# KiCad board FPGA_Board_BA.kicad_pcb (continued)
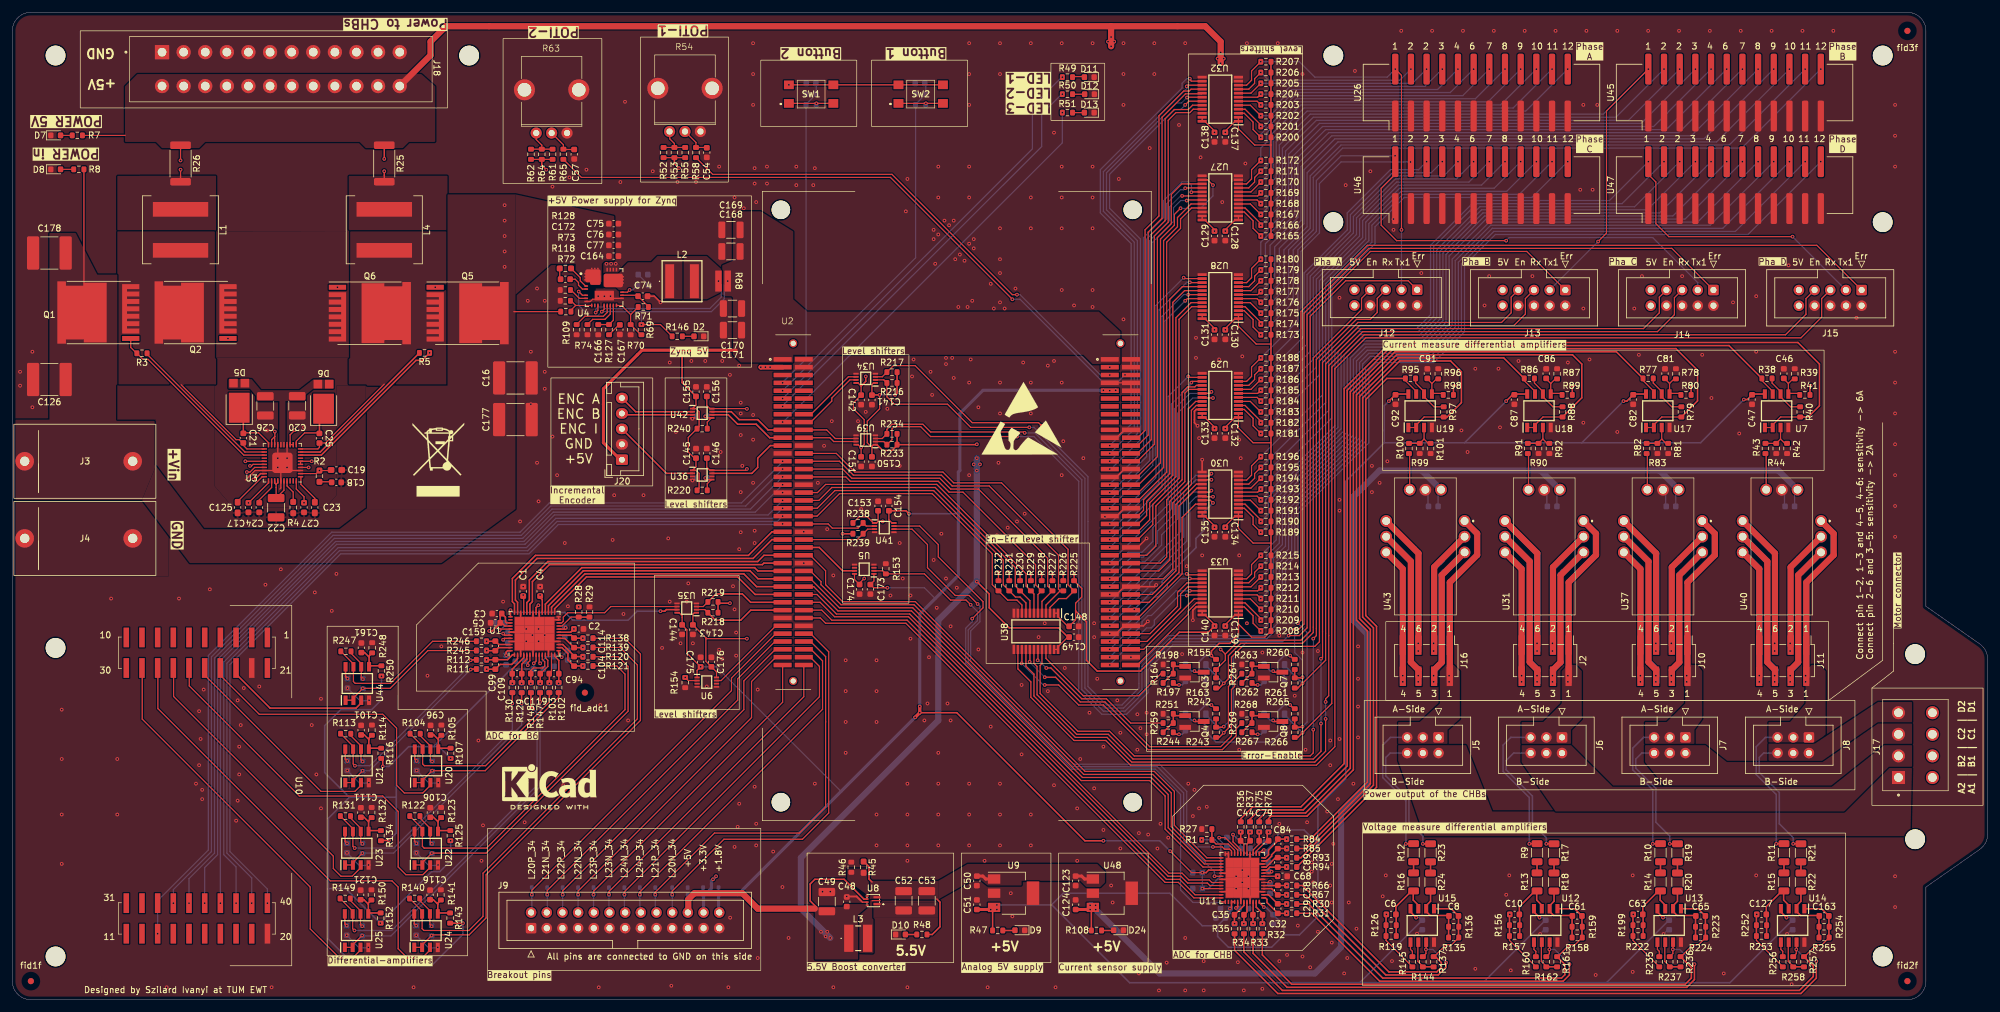
[diagram p0: board, top side]
## Placement (name value [footprint] x y rotation side) (continued)
R121  30R_0603  [R_0603_1608Metric]  93.25 54.08 0 top
R122  500R_0603  [R_0603_1608Metric]  65.21 29.75 0 top
R123  5k1_0603  [R_0603_1608Metric]  69.46 30.33 270 top
R124  500R_0603  [R_0603_1608Metric]  67.96 24.5 270 bottom
R125  5k1_0603  [R_0603_1608Metric]  70.96 26.58 270 top
R126  1k_0603  [R_0603_1608Metric]  223.36 12.07 180 top
R127  3k83_0603  [R_0603_1608Metric]  96.66 108.58 90 top
R128  1R_0603  [R_0603_1608Metric_Pad0.98x0.95mm_HandSolder]  89.59 118.5 0 top
R129  30R_0603  [R_0603_1608Metric]  82.5 50.58 270 top
R130  30R_0603  [R_0603_1608Metric]  81 50.58 270 top
R131  500R_0603  [R_0603_1608Metric]  53.96 29.75 0 top
R132  5k1_0603  [R_0603_1608Metric]  58.21 30.33 270 top
R133  500R_0603  [R_0603_1608Metric]  56.71 24.5 270 bottom
R134  5k1_0603  [R_0603_1608Metric]  59.71 26.58 270 top
R135  1k_0603  [R_0603_1608Metric]  233.5 10.07 0 top
R136  1k_0603  [R_0603_1608Metric]  233.5 11.82 0 top
R137  1k_0603  [R_0603_1608Metric]  230.25 6.14 270 top
R138  30R_0603  [R_0603_1608Metric]  93.25 58.58 0 top
R139  30R_0603  [R_0603_1608Metric]  93.25 57.08 0 top
R140  500R_0603  [R_0603_1608Metric]  65.17 16.4 0 top
R141  5k1_0603  [R_0603_1608Metric]  69.42 16.97 270 top
R142  500R_0603  [R_0603_1608Metric]  67.92 11.15 270 bottom
R143  5k1_0603  [R_0603_1608Metric]  70.92 13.22 270 top
R144  1k_0603  [R_0603_1608Metric]  228.5 6.14 90 top
R145  1k_0603  [R_0603_1608Metric]  226.81 6.14 90 top
R146  10k_0603  [R_0603_1608Metric]  107.71 107.5 0 top
R147  30R_0603  [R_0603_1608Metric]  85.5 50.58 270 top
R148  30R_0603  [R_0603_1608Metric]  84 50.58 270 top
R149  500R_0603  [R_0603_1608Metric]  53.92 16.4 0 top
R150  5k1_0603  [R_0603_1608Metric]  58.17 16.97 270 top
R151  500R_0603  [R_0603_1608Metric]  56.67 11.15 270 bottom
R152  5k1_0603  [R_0603_1608Metric]  59.67 13.22 270 top
R153  10k_0603  [R_0603_1608Metric]  141.5 69.83 90 top
R154  10k_0603  [R_0603_1608Metric]  109 51.39 270 top
R155  10k_0603  [R_0603_1608Metric]  195 54.33 270 top
R156  1k_0603  [R_0603_1608Metric]  243.36 12.07 180 top
R157  1k_0603  [R_0603_1608Metric]  243.36 10.32 180 top
R158  1k_0603  [R_0603_1608Metric]  253.5 10.07 0 top
R159  1k_0603  [R_0603_1608Metric]  253.5 11.82 0 top
R160  1k_0603  [R_0603_1608Metric]  246.81 6.14 90 top
R161  1k_0603  [R_0603_1608Metric]  250.25 6.14 270 top
R162  1k_0603  [R_0603_1608Metric]  248.5 6.14 90 top
R163  0R_0603  [R_0603_1608Metric]  195 51.33 270 top
R164  100R_0603  [R_0603_1608Metric]  187.25 52.83 180 top
R165  10k_0603  [R_0603_1608Metric]  203.07 123.75 180 top
R166  10k_0603  [R_0603_1608Metric]  203.07 125.5 180 top
R167  10k_0603  [R_0603_1608Metric]  203.07 127.25 180 top
R168  10k_0603  [R_0603_1608Metric]  203.07 129 180 top
R169  10k_0603  [R_0603_1608Metric]  203.07 130.75 180 top
R170  10k_0603  [R_0603_1608Metric]  203.07 132.5 180 top
R171  10k_0603  [R_0603_1608Metric]  203.07 134.25 180 top
R172  10k_0603  [R_0603_1608Metric]  203.07 136 180 top
R173  10k_0603  [R_0603_1608Metric]  203.07 107.75 180 top
R174  10k_0603  [R_0603_1608Metric]  203.07 109.5 180 top
R175  10k_0603  [R_0603_1608Metric]  203.07 111.25 180 top
R176  10k_0603  [R_0603_1608Metric]  203.07 113 180 top
R177  10k_0603  [R_0603_1608Metric]  203.07 114.75 180 top
R178  10k_0603  [R_0603_1608Metric]  203.07 116.5 180 top
R179  10k_0603  [R_0603_1608Metric]  203.07 118.25 180 top
R180  10k_0603  [R_0603_1608Metric]  203.07 120 180 top
R181  10k_0603  [R_0603_1608Metric]  203.07 91.75 180 top
R182  10k_0603  [R_0603_1608Metric]  203.07 93.5 180 top
R183  10k_0603  [R_0603_1608Metric]  203.07 95.25 180 top
R184  10k_0603  [R_0603_1608Metric]  203.07 97 180 top
R185  10k_0603  [R_0603_1608Metric]  203.07 98.75 180 top
R186  10k_0603  [R_0603_1608Metric]  203.07 100.5 180 top
R187  10k_0603  [R_0603_1608Metric]  203.07 102.25 180 top
R188  10k_0603  [R_0603_1608Metric]  203.07 104 180 top
R189  10k_0603  [R_0603_1608Metric]  203.07 75.75 180 top
R190  10k_0603  [R_0603_1608Metric]  203.07 77.5 180 top
R191  10k_0603  [R_0603_1608Metric]  203.07 79.25 180 top
R192  10k_0603  [R_0603_1608Metric]  203.07 81 180 top
R193  10k_0603  [R_0603_1608Metric]  203.07 82.75 180 top
R194  10k_0603  [R_0603_1608Metric]  203.07 84.5 180 top
R195  10k_0603  [R_0603_1608Metric]  203.07 86.25 180 top
R196  10k_0603  [R_0603_1608Metric]  203.07 88 180 top
R197  100R_0603  [R_0603_1608Metric]  187.25 51.33 180 top
R198  100k_0603  [R_0603_1608Metric]  187.25 54.33 180 top
R199  1k_0603  [R_0603_1608Metric]  263.36 12.07 180 top
R200  10k_0603  [R_0603_1608Metric]  203.07 139.75 180 top
R201  10k_0603  [R_0603_1608Metric]  203.07 141.5 180 top
R202  10k_0603  [R_0603_1608Metric]  203.07 143.25 180 top
R203  10k_0603  [R_0603_1608Metric]  203.07 145 180 top
R204  10k_0603  [R_0603_1608Metric]  203.07 146.75 180 top
R205  10k_0603  [R_0603_1608Metric]  203.07 148.5 180 top
R206  10k_0603  [R_0603_1608Metric]  203.07 150.25 180 top
R207  10k_0603  [R_0603_1608Metric]  203.07 152 180 top
R208  10k_0603  [R_0603_1608Metric]  203.07 59.75 180 top
R209  10k_0603  [R_0603_1608Metric]  203.07 61.5 180 top
R210  10k_0603  [R_0603_1608Metric]  203.07 63.25 180 top
R211  10k_0603  [R_0603_1608Metric]  203.07 65 180 top
R212  10k_0603  [R_0603_1608Metric]  203.07 66.75 180 top
R213  10k_0603  [R_0603_1608Metric]  203.07 68.5 180 top
R214  10k_0603  [R_0603_1608Metric]  203.07 70.25 180 top
R215  10k_0603  [R_0603_1608Metric]  203.07 72 180 top
R216  10k_0603  [R_0603_1608Metric]  142.5 99.94 180 top
R217  10k_0603  [R_0603_1608Metric]  142.5 101.69 180 top
R218  10k_0603  [R_0603_1608Metric]  113.5 62.71 180 top
R219  10k_0603  [R_0603_1608Metric]  113.5 64.46 180 top
R220  0R_0603  [R_0603_1608Metric]  111.75 82.53 0 top
R221  0R_0603  [R_0603_1608Metric]  111.75 84.53 0 bottom  (not fitted)
R222  1k_0603  [R_0603_1608Metric]  263.36 10.32 180 top
R223  1k_0603  [R_0603_1608Metric]  273.5 11.82 0 top
R224  1k_0603  [R_0603_1608Metric]  273.5 10.07 0 top
R225  10k_0603  [R_0603_1608Metric]  172 67.08 270 top
R226  10k_0603  [R_0603_1608Metric]  170.25 67.08 270 top
R227  10k_0603  [R_0603_1608Metric]  168.5 67.08 270 top
R228  10k_0603  [R_0603_1608Metric]  166.75 67.08 270 top
R229  10k_0603  [R_0603_1608Metric]  165 67.08 270 top
R230  10k_0603  [R_0603_1608Metric]  163.25 67.08 270 top
R231  10k_0603  [R_0603_1608Metric]  161.5 67.08 270 top
R232  10k_0603  [R_0603_1608Metric]  159.75 67.08 270 top
R233  10k_0603  [R_0603_1608Metric]  142.5 89.94 180 top
R234  10k_0603  [R_0603_1608Metric]  142.5 91.69 180 top
R235  1k_0603  [R_0603_1608Metric]  266.81 6.14 90 top
R236  1k_0603  [R_0603_1608Metric]  270.25 6.14 270 top
R237  1k_0603  [R_0603_1608Metric]  268.5 6.14 90 top
R238  10k_0603  [R_0603_1608Metric]  137 77.25 0 top
R239  10k_0603  [R_0603_1608Metric]  137 75.5 0 top
R240  0R_0603  [R_0603_1608Metric]  111.75 92.53 0 top
R241  0R_0603  [R_0603_1608Metric]  111.75 94.53 0 bottom  (not fitted)
R242  10k_0603  [R_0603_1608Metric]  195 46.33 270 top
R243  0R_0603  [R_0603_1608Metric]  195 43.33 270 top
R244  100R_0603  [R_0603_1608Metric]  187.25 43.33 180 top
R245  30R_0603  [R_0603_1608Metric]  76 56.58 180 top
R246  30R_0603  [R_0603_1608Metric]  76 58.08 180 top
R247  500R_0603  [R_0603_1608Metric]  54.04 56.45 0 top
R248  5k1_0603  [R_0603_1608Metric]  58.29 57.03 270 top
R249  500R_0603  [R_0603_1608Metric]  56.79 51.2 270 bottom
R250  5k1_0603  [R_0603_1608Metric]  59.79 53.28 270 top
R251  100k_0603  [R_0603_1608Metric]  187.25 46.33 180 top
R252  1k_0603  [R_0603_1608Metric]  283.36 12.07 180 top
R253  1k_0603  [R_0603_1608Metric]  283.36 10.32 180 top
R254  1k_0603  [R_0603_1608Metric]  293.5 11.82 0 top
R255  1k_0603  [R_0603_1608Metric]  293.5 10.07 0 top
R256  1k_0603  [R_0603_1608Metric]  286.81 6.14 90 top
R257  1k_0603  [R_0603_1608Metric]  290.25 6.14 270 top
R258  1k_0603  [R_0603_1608Metric]  288.5 6.14 90 top
R259  100R_0603  [R_0603_1608Metric]  187.25 44.83 180 top
R260  10k_0603  [R_0603_1608Metric]  207.75 54.33 270 top
R261  0R_0603  [R_0603_1608Metric]  207.75 51.33 270 top
R262  100R_0603  [R_0603_1608Metric]  200 51.33 180 top
R263  100k_0603  [R_0603_1608Metric]  200 54.33 180 top
R264  100R_0603  [R_0603_1608Metric]  200 52.83 180 top
R265  10k_0603  [R_0603_1608Metric]  207.75 46.33 270 top
R266  0R_0603  [R_0603_1608Metric]  207.75 43.33 270 top
R267  100R_0603  [R_0603_1608Metric]  200 43.33 180 top
R268  100k_0603  [R_0603_1608Metric]  200 46.33 180 top
R269  100R_0603  [R_0603_1608Metric]  200 44.83 180 top
REF**  -  [MountingHole_3.2mm_M3]  7 153 0 top
REF**#2  -  [MountingHole_3.2mm_M3]  7 57 0 top
REF**#3  -  [MountingHole_3.2mm_M3]  214 126 0 top
REF**#4  -  [MountingHole_3.2mm_M3]  303 126 0 top
REF**#5  -  [WEEE-Logo_8.4x12mm_SilkScreen]  69 87.5 0 top
REF**#6  -  [MountingHole_3.2mm_M3]  74 153 0 top
REF**#7  -  [MountingHole_3.2mm_M3]  214 153 0 top
REF**#8  -  [MountingHole_3.2mm_M3]  303 7 0 top
REF**#9  -  [MountingHole_3.2mm_M3]  303 153 0 top
REF**#10  -  [ESD-Logo_13.2x12mm_SilkScreen]  163.5 94.25 0 top
REF**#11  -  [MountingHole_3.2mm_M3]  308.25 56 0 top
REF**#12  -  [MountingHole_3.2mm_M3]  308.25 26 0 top
REF**#13  -  [MountingHole_3.2mm_M3]  7 7 0 top
REF**#14  -  [KiCad-Logo2_6mm_SilkScreen]  86.99 35.2 0 top
SW1  TL3305BF100QG  [TL3305BF160QG]  129.4 146.75 0 top
SW2  TL3305BF100QG  [TL3305BF160QG]  147.15 146.75 0 top
U1  LTC2320-16_CMOS  [UKG_52_7mm_8mm]  84.56 59.3 90 top
U2  -  [Zynq7020]  126.5 79 0 top
U3  LM5143  [VQFN 40 pin 5.8mm x 5.8mm]  43.75 87 180 top
U4  LM70860RRXR  [RRX Package, 29-Pin VQFN]  95.91 115.35 0 top
U5  SN74LXC2T45Q1  [SN74LXC2T45QDCURQ1]  138 69.75 180 top
U6  SN74LXC2T45Q1  [SN74LXC2T45QDCURQ1]  112.5 51.46 0 top
U7  1819_IS8  [LT1819]  285.81 95.35 90 top
U8  -  [TPS61022]  139.43 16.05 180 top
U9  MCP1703AT-5002EDB  [SOT-223]  162.19 17.25 0 top
U10  BOOSTXL-3PHGANINV  [TI_BOOSTXL_3PH]  41.32 57.5 0 top
U11  LTC2320-16_CMOS  [UKG_52_7mm_8mm]  199.26 19.71 180 top
U12  1819_IS8  [LT1819]  248.4 12.1 270 top
U13  1819_IS8  [LT1819]  268.4 12.1 270 top
U14  1819_IS8  [LT1819]  288.4 12.1 270 top
U15  1819_IS8  [LT1819]  228.4 12.1 270 top
U17  1819_IS8  [LT1819]  266.56 95.35 90 top
U18  1819_IS8  [LT1819]  247.31 95.35 90 top
U19  1819_IS8  [LT1819]  228.06 95.35 90 top
U20  1819_IS8  [LT1819]  67.09 37.81 90 top
U21  1819_IS8  [LT1819]  55.84 37.81 90 top
U22  1819_IS8  [LT1819]  67.06 24.46 90 top
U23  1819_IS8  [LT1819]  55.81 24.46 90 top
U24  1819_IS8  [LT1819]  67.02 11.11 90 top
U25  1819_IS8  [LT1819]  55.77 11.11 90 top
U26  BoxHeader_24pin  [IDC-Header_2x12_P2.54mm_Vertical_SMD]  238 147 90 top
U27  SN74LXCH8T245RHLR  [SN74LXCH8T245]  195.62 129.93 180 top
U28  SN74LXCH8T245RHLR  [SN74LXCH8T245]  195.62 113.93 180 top
U29  SN74LXCH8T245RHLR  [SN74LXCH8T245]  195.62 97.93 180 top
U30  SN74LXCH8T245RHLR  [SN74LXCH8T245]  195.62 81.93 180 top
U31  S22P006S05  [Tamura_S22P006S05]  248.51 73.55 90 top
U32  SN74LXCH8T245RHLR  [SN74LXCH8T245]  195.62 145.93 180 top
U33  SN74LXCH8T245RHLR  [SN74LXCH8T245]  195.62 65.93 180 top
U34  SN74LXC2T45Q1  [SN74LXC2T45QDCURQ1]  138.25 100.69 180 top
U35  SN74LXC2T45Q1  [SN74LXC2T45QDCURQ1]  109.25 63.46 180 top
U36  SN74LXC2T45Q1  [SN74LXC2T45QDCURQ1]  111.75 85.03 0 top
U37  S22P006S05  [Tamura_S22P006S05]  267.76 73.55 90 top
U38  SN74LXCH8T245RHLR  [SN74LXCH8T245]  165.82 59.62 270 top
U39  SN74LXC2T45Q1  [SN74LXC2T45QDCURQ1]  138.25 90.69 180 top
U40  S22P006S05  [Tamura_S22P006S05]  287.01 73.55 90 top
U41  SN74LXC2T45Q1  [SN74LXC2T45QDCURQ1]  141.25 76.5 0 top
U42  SN74LXC2T45Q1  [SN74LXC2T45QDCURQ1]  111.75 95.03 0 top
U43  S22P006S05  [Tamura_S22P006S05]  229.26 73.55 90 top
U44  1819_IS8  [LT1819]  55.89 51.16 90 top
U45  BoxHeader_24pin  [IDC-Header_2x12_P2.54mm_Vertical_SMD]  279 147 90 top
U46  BoxHeader_24pin  [IDC-Header_2x12_P2.54mm_Vertical_SMD]  238 132 90 top
U47  BoxHeader_24pin  [IDC-Header_2x12_P2.54mm_Vertical_SMD]  279 132 90 top
U48  MCP1703AT-5002EDB  [SOT-223]  178.19 17.25 0 top

## Library data of the parts
C1 C2 C11 C24 C50 C51 C58 C59 C68 C123 C124 = -: Datasheet: https://www.farnell.com/datasheets/2710598.pdf; Description: Unpolarized capacitor SMD MLCC; FARNELL: 3013414; VDC: 25V; JLCPCB: C513775; ki_fp_filters: C_*
C3-C10 C40-C42 C46-C48 C54-C57 C60-C67 C73 C81 C82 C86 C87 C91 C92 C96 C97 C101 C102 C106 C107 C111 C112 C116 C117 C121 C122 C127-C157 C161-C163 C173-C176 = -: Datasheet: https://www.farnell.com/datasheets/2860632.pdf; Description: Unpolarized capacitor SMD MLCC; FARNELL: 1759037; VDC: 25V; JLCPCB: C2762593; ki_fp_filters: C_*
C12-C15 C69-C72 C166 = -: Description: Capacitor
C17 C21 C25 C27 C75-C77 C164 C165 = -: Datasheet: https://www.farnell.com/datasheets/2048165.pdf; Description: Unpolarized capacitor; Voltage: 25 V; FARNELL: 2426959; JLCPCB: C408137; ki_fp_filters: C_*
C18 = -: Datasheet: https://www.farnell.com/datasheets/2861120.pdf; Description: Unpolarized capacitor SMD MLCC; FARNELL: 2627458; VDC: 25V; JLCPCB: C519573; ki_fp_filters: C_*
C20 C22 C26 C49 C52 C53 = -: Datasheet: https://www.farnell.com/datasheets/2237828.pdf; Description: Unpolarized capacitor SMD MLCC; FARNELL: 1327737; VDC: 25V; JLCPCB: C92834; ki_fp_filters: C_*
C28-C39 C43-C45 C78-C80 C83-C85 C88-C90 C93-C95 C98-C100 C103-C105 C108-C110 C113-C115 C118-C120 C158-C160 = -: Datasheet: https://www.farnell.com/datasheets/2860632.pdf; Description: Unpolarized capacitor SMD MLCC; FARNELL: 1759124; VDC: 100V; ki_fp_filters: C_*
C74 = -: Datasheet: https://4donline.ihs.com/images/VipMasterIC/IC/SCMP/SCMP-S-A0009258786/SCMP-S-A0009258786-1.pdf?hkey=6D3A4C79FDBF58556ACFDE234799DDF0; Description: Unpolarized capacitor; Voltage: 25 V; FARNELL: 2320797; ki_fp_filters: C_*
C167 C172 = -: Datasheet: https://search.kemet.com/download/specsheet/C0805C153J1RACAUTO; Description: Unpolarized capacitor SMD MLCC; FARNELL: 2984967; VDC: 100V; JLCPCB: C527994; ki_fp_filters: C_*
C168-C171 = -: Datasheet: https://pim.murata.com/asset/pim4/ceramicCapacitorSMD/GRM32ER61C476KE15-01A-EN_PDF_CERAMICCAPACITORSMD; Description: Capacitor 16V, 47u SMD; Manuf nr: GRM32ER61C476KE15L
D1 D3 D4 D14-D23 = -: Datasheet: https://www.tdk-electronics.tdk.com/inf/75/ds/High_speed_series.pdf; Description: ESD Diode, maximal 5.6V DC; Mouser nr.: 871-B72590D50H160
D2 D7-D10 D12 D24 = -: Datasheet: https://www.farnell.com/datasheets/2068423.pdf; Description: Light emitting diode; FARNELL: 2610409; Max DC Current: 25mA; Forward Voltage: 2.65 V @ 2mA; JLCPCB: C965805; ki_fp_filters: LED* LED_SMD:* LED_THT:*
D5 D6 = -: Datasheet: https://eu.mouser.com/datasheet/3/175/1/SBR10U200P5.pdf; Description: Ultra Low Forward Voltage Drop Power Diode; Mouser nr: 621-SBR10U200P5-13
D11 = -: Datasheet: https://www.farnell.com/datasheets/2068424.pdf; Description: Light emitting diode; FARNELL: 2610410; Max DC Current: 30mA; Forward Voltage: 2.65V @ 2mA; JLCPCB: C19171394; ki_fp_filters: LED* LED_SMD:* LED_THT:*
D13 = -: Datasheet: https://www.farnell.com/datasheets/2068420.pdf; Description: Light emitting diode; FARNELL: 2610406; Max DC Current: 30mA; Forward voltage: 1.8V @ 2mA; JLCPCB: C19171390; ki_fp_filters: LED* LED_SMD:* LED_THT:*
D25-D32 = -: Datasheet: https://www.farnell.com/datasheets/887879.pdf; Description: Schottky diode; FARNELL: 1858617; Forward Voltage: 420mV max; Forward Current: 1A; Reverse Voltage: 30V; JLCPCB: C129191; ki_fp_filters: TO-???* *_Diode_* *SingleDiode* D_*
J2 J10 J11 J16 = -: Datasheet: https://www.we-online.com/components/products/datasheet/61030821121.pdf; Description: PinHeader SMD 2x4 pin, 2.54mm Pitch; Mouser Nr: 710-61030821121
J3 = -: Datasheet: https://www.mouser.de/datasheet/3/254/1/TestMeasurement59.pdf; Description: Red Banana Socket; Digikey: 973582101-ND; Mouser: 845-973582101
J4 = -: Datasheet: https://www.mouser.de/datasheet/3/254/1/TestMeasurement59.pdf; Description: Black Banana Socket; Digikey: 973582100-ND; Mouser: 845-973582100
J5-J8 = -: Datasheet: https://www.reichelt.de/de/de/shop/produkt/wannenstecker_6-polig_gewinkelt-105978; Description: Wannenstecker 6pin, THT Vertikal, Imax = 3A
J9 = -: Datasheet: https://www.reichelt.de/de/de/shop/produkt/wannenstecker_26-polig_gerade-22828; Description: Box Header 2x13 pin, Imax = 3A; Reichelt nr: WSL 26G
J12-J15 = -: Datasheet: https://cdn-reichelt.de/documents/datenblatt/C151/BH1S-XX-L.pdf; Description: 10 pin Wannenstecker THT, Vertikal, Imax: 3A
J17 = -: Datasheet: https://www.mouser.de/datasheet/3/507/8/phoenix_contact_1787221_en.pdf; Description: Vertical 2x4 pin, 8A max 160V max; Socket Mouser: 651-1787221; Header Mouser: 651-1790124
J18 = -: Datasheet: https://product-download.phoenixcontact.com/7582038?response-content-disposition=inline;%20filename%3D%221787496_01_en_00.pdf%22&Expires=1762799295&Signature=wiZ8ciixws58wt5Czv6eqPsyIYd3EChdPhSKa0S4vltewA-fKNSy0roarbi6P~hzPFOWeHyitDALz-w07Og4yKlHokPXETafs50fuHx2oPb7GGodxhZhFQfVnM-5j-0dmePNidjbsHCgNWWx~~WzZw~QrSwaMhDOO76FfwoN4Oofy12PdITYp~ohD-CeHbjVCD5RffFUKYxsj~DqPAR~igVN0LGDX8~YNEyq8kpHv3d0cK91kIWqp4CfscAKrTtnTVLvGU5IKKR9TrzvhQZctkxPTKRQUpk6ixwGUyp4vqpLmyi8ejVOqnVtk9~g2sqNtWpdQrjgRGxtzjjgjKzk-Q__&Key-Pair-Id=K1I2N54A7B0GD; Description: DMCV 1,5/12-G1F-3,5-LR P20THR; Manuf. nr: 1787496; Mating conn: 1790580
J20 = -: Datasheet: https://www.farnell.com/datasheets/2082976.pdf; Description: Generic connector, single row, 01x05, script generated (kicad-library-utils/schlib/autogen/connector/); FARNELL: 1516281; FARNELL HOUSING: 1516268; ki_fp_filters: Connector*:*_1x??_*
L1 L4 = -: Datasheet: https://www.coilcraft.com/getmedia/dd74e670-e705-456a-9a69-585fe02eaf3c/xal1010.pdf; Description: High Saturation Iron Composit Inductor; Mouser: 994-XAL1010-152MED; Isat: 36.6A; Vmax: 60V
L2 = -: Datasheet: https://www.we-online.com/components/products/datasheet/78439346056.pdf; Description: 5.6 µH Shielded Drum Core, Wirewound Inductor 6.9 A 15mOhm Nonstandard; Manufacturer nr: 78439346056
L3 = -: Datasheet: https://www.we-online.com/components/products/datasheet/74404043010A.pdf; Description: SMD WE-LQS 1uH 4.9A DCR=14mOhms AEC-Q200; Manuf. nr.: 74404043010A; Mouser nr.: 710-74404043010A
Q1 Q2 Q5 Q6 = -: Datasheet: https://eu.mouser.com/datasheet/3/70/1/Infineon-IPT017N12NM6-DataSheet-v02_00-EN.pdf; Description: N-Channel High Power Mosfet; Mouser nr: 726-IPT017N12NM6ATMA
Q3 Q4 Q7 Q8 = -: Datasheet: https://4donline.ihs.com/images/VipMasterIC/IC/ONSM/ONSM-S-A0013300082/ONSM-S-A0013300264-1.pdf?hkey=6D3A4C79FDBF58556ACFDE234799DDF0; Description: Enhancement Mode Signal N-MOSFET transistor 60V; FARNELL: 2724423; Rated Current: 260mA; Rated Voltage: 60V; Max Gate Source Voltage: 30V; JLCPCB: C152469
R1 R27-R29 R72 R118 R163 R220 R221 R240 R241 R243 R261 R266 = -: Datasheet: https://www.farnell.com/datasheets/2869757.pdf; Description: Jumper Resistor; FARNELL: 2309111; Rated Power: 100mW; ki_fp_filters: R_*
R3 R5 = -: Datasheet: https://www.farnell.com/datasheets/3795017.pdf; Description: Resistor; FARNELL: 3495946; Power Rating: 100mW; ki_fp_filters: R_*
R6 R43 R82 R91 R100 R110 R119 R126 R135-R137 R144 R145 R156-R162 R199 R222-R224 R235-R237 R252-R258 = -: Datasheet: https://www.farnell.com/datasheets/2710391.pdf; Description: Resistor; FARNELL: 2078907; Rated Power: 100mW; JLCPCB: C21190; ki_fp_filters: R_*
R7 R47-R53 R55 R57 R60-R62 R64 R70 R108 R146 R153-R155 R165-R196 R200-R219 R225-R234 R238 R239 R242 R260 R265 = -: Datasheet: https://www.farnell.com/datasheets/2860681.pdf; Description: Resistor; FARNELL: 2447230; Rated Power: 100mW; JLCPCB: C25804; ki_fp_filters: R_*
R8 R46 R73 R198 R251 R263 R268 = -: Datasheet: https://www.farnell.com/datasheets/2710391.pdf; Description: Resistor; FARNELL: 2078921; Power Rating: 100mW; JLCPCB: C267258; ki_fp_filters: R_*
R25 R26 = -: Datasheet: https://eu.mouser.com/datasheet/3/1099/1/SEI-CSNL.pdf; Description: Shunt Resistor 3W, 2512; Mouser nr: 708-CSNL2512FT2L00
R30-R37 R66 R67 R75 R76 R84 R85 R93 R94 R102 R103 R111 R112 R120 R121 R129 R130 R138 R139 R147 R148 R245 R246 = -: Datasheet: https://www.farnell.com/datasheets/2861414.pdf; Description: Resistor; FARNELL: 1711574; Power Rating: 50mW; ki_fp_filters: R_*
R38 R40 R77 R79 R86 R88 R95 R97 R104 R106 R113 R115 R122 R124 R131 R133 R140 R142 R149 R151 R247 R249 = -: Datasheet: http://industrial.panasonic.com/cdbs/www-data/pdf/RDA0000/AOA0000C304.pdf; Description: Resistor; FARNELL: 2059312; Rated Power: 100mW; ki_fp_filters: R_*
R39 R41 R78 R80 R87 R89 R96 R98 R105 R107 R114 R116 R123 R125 R132 R134 R141 R143 R150 R152 R248 R250 = -: Datasheet: https://www.farnell.com/datasheets/2860681.pdf; Description: Resistor; FARNELL: 2447404; Rated Power: 100mW; JLCPCB: C473622; ki_fp_filters: R_*
R45 = -: Description: SMD 820k Resistor
R54 R63 = -: Datasheet: https://www.mouser.com/catalog/specsheets/AlpsAlpine_3-4-2024_rk09k.pdf; Description: Compact type potentiometer with 9.8mm width is ideal for designing high density sets; Mouser nr: 688-RK09D1130A1N
R56 R58 R59 R65 R164 R197 R244 R259 R262 R264 R267 R269 = -: Datasheet: https://www.farnell.com/datasheets/1862611.pdf; Description: Resistor; FARNELL: 2078901; Rated Power: 100mW; JLCPCB: C491168; ki_fp_filters: R_*
R68 = -: Datasheet: https://www.susumu.co.jp/common/pdf/n_catalog_partition07_en.pdf; Description: Shunt resistor 6m, 1W, SMD; Mouser nr: 754-PRL1632-R006-FT1; Manuf nr: PRL1632-R006-F-T1
R69 = -: Datasheet: https://www.farnell.com/datasheets/2860635.pdf; Description: Resistor; FARNELL: 2337222; Rated Power: 100mW; ki_fp_filters: R_*
R71 = -: Datasheet: https://www.farnell.com/datasheets/4535162.pdf; Description: Resistor; FARNELL: 2670717; Rated Power: 100mW; ki_fp_filters: R_*
R117 R128 = -: Datasheet: https://www.farnell.com/datasheets/2860635.pdf; Description: Resistor; FARNELL: 2073361; Power Rating: 100mW; JLCPCB: C325636; ki_fp_filters: R_*
SW1 SW2 = -: Datasheet: https://www.mouser.de/datasheet/2/140/E_Switch_TL3305-3483957.pdf; Description: Push button switch, two pins; mouser: 612-TL3305BF100QG; max. current: 50 mA; max. voltage: 12 V
U1 U11 = -: Datasheet: https://www.analog.com/media/en/technical-documentation/data-sheets/232016fb.pdf; Description: 8 Channel 16 Bit Differential ADC
U2 = -: Datasheet: https://www.myirtech.com/list.asp?id=708; Description: FPGA Microcomputer; Mouser nr connector: 200-TFM14002LDWT; Chip pinout datasheet: https://cdn.hackaday.io/files/19354828041536/ug865-Zynq-7000-Pkg-Pinout.pdf; AC,DC Characteristics: https://docs.amd.com/v/u/en-US/ds187-XC7Z010-XC7Z020-Data-Sheet; Chip pinout: https://cdn.hackaday.io/files/19354828041536/ug865-Zynq-7000-Pkg-Pinout.pdf
U3 = -: Datasheet: https://www.ti.com/lit/ds/symlink/lm5143.pdf?ts=1762704982502&ref_url=https%253A%252F%252Fwww.ti.com%252Fproduct%252FLM5143; Description: Dual Synchronous Buck DC/DC Controller
U4 = -: Datasheet: https://www.ti.com/lit/ds/symlink/lm70860.pdf?ts=1766927367981; Description: wide-VIN synchronous buck converters designed for an input voltage range of 4.5V to 80V and delivering up to 8A of output current at fixed output voltages of 3.3V, 5V, 12V, or an adjustable output; Mouser Nr: 595-LM70860RRXR
U5 U6 U34-U36 U39 U41 U42 = -: Datasheet: https://www.ti.com/lit/ds/symlink/sn74lxc2t45-q1.pdf?ts=1763370162012&ref_url=https%253A%252F%252Fwww.ti.com%252Fproduct%252FSN74LXC2T45-Q1%252Fpart-details%252FSN74LXC2T45QDCURQ1%253Futm_source%253Dgoogle%2526utm_medium%253Dcpc%2526utm_campaign%253Dasc-null-null-asc_opn_en-cpc-storeic-google-eu_en_pur%2526utm_content%253DDevice%2526ds_k%253DSN74LXC2T45QDCURQ1%2526DCM%253Dyes%2526gclsrc%253Daw.ds%2526gad_source%253D1%2526gad_campaignid%253D11662144970%2526gbraid%253D0AAAAAC068F39eJFhDO7IAjRN0B7HR1F_u%2526gclid%253DEAIaIQobChMI07vhqun4kAMVZZiDBx1M-Tl6EAAYASAAEgKyXPD_BwE; Description: dual-bit, dual-supply noninverting bidirectional level shifter. If dir = high, A -> B; Mouser nr: 595-74LXC2T45QDCURQ1
U7 U12-U15 U17-U25 U44 = -: Datasheet: https://www.analog.com/media/en/technical-documentation/data-sheets/18189fb.pdf; Description: ual wide bandwidth, high slew rate, low noise and distortion operational amplifi ers with excellent DC performance
U8 = -: Datasheet: https://www.ti.com/lit/ds/symlink/tps61022.pdf?ts=1762772716256; Description: TPS61022 8-A Boost Converter with 0.5-V Ultra-low Input Volta
U9 U48 = -: Datasheet: https://ww1.microchip.com/downloads/en/DeviceDoc/22049f.pdf; Description: CMOS low dropout (LDO) voltage regulators that can deliver up to 250 mA of current while consuming only 2.0 μA of quiescent current (typical); Mouser nr: 579-MCP1703AT5002EDB
U10 = -: Datasheet: https://www.ti.com/tool/de-de/BOOSTXL-3PHGANINV#tech-docs; Description: 48-V-Dreiphasen-Inverter mit Shunt-basierter Inline-Motor Phasen-Strommessung – Evaluierungsmodul; Mouser nr Connector: 710-61002021121
U26 U45-U47 = -: Datasheet: https://www.we-online.com/components/products/datasheet/61202421621.pdf; Description: Box Header 24 pin 2x12, 2.54mm pitch SMD; Mouser nr: 710-61202421621
U27-U30 U32 U33 U38 = -: Datasheet: https://www.ti.com/lit/ds/symlink/sn74lxch8t245.pdf?ts=1763371772541&ref_url=https%253A%252F%252Fwww.ti.com%252Fproduct%252FSN74LXCH8T245%252Fpart-details%252FSN74LXCH8T245PWR%253Futm_source%253Dgoogle%2526utm_medium%253Dcpc%2526utm_campaign%253Dasc-null-null-asc_opn_en-cpc-storeic-google-eu_en_pur%2526utm_content%253DDevice%2526ds_k%253DSN74LXCH8T245PWR%2526DCM%253Dyes%2526gclsrc%253Daw.ds%2526gad_source%253D1%2526gad_campaignid%253D11662144970%2526gbraid%253D0AAAAAC068F39eJFhDO7IAjRN0B7HR1F_u%2526gclid%253DCj0KCQiArOvIBhDLARIsAPwJXOYrNobBoFNvEGFStXBaA-GNl_2J8-tjiZakLfPkxHBPueWciDcO--IaAq1yEALw_wcB; Description: 8-bit, dual-supply noninverting bidirectional level shifter, DIR = high: A -> B, OE = high: everything in high Z
U31 U37 U40 U43 = -: Datasheet: https://4donline.ihs.com/images/VipMasterIC/IC/TCOA/TCOA-S-A0008260073/TCOA-S-A0008260073-1.pdf?hkey=CECEF36DEECDED6468708AAF2E19C0C6; Description: Tamura closed loop current sensor 6A max; Mouser nr: 838-S22P006S05

## Footprints (pads in the part's own frame, mm; a bottom-side part is the same pattern mirrored in y, then rotated)
74404043010A
  rect 4.4x1.5 smd: 1(0.05,-1.5) 2(0.05,1.55)
Banana_Socket_Aletch_Black
  round 3 hole 1.5: 1(-10,-0.75) 1(7.5,-0.75)
Banana_Socket_Altech_Red
  round 3 hole 1.5: 1(1.75,0) 1(19.25,0)
C_0402_1005Metric_Pad0.74x0.62mm_HandSolder
  rrect 0.735x0.62 smd: 1(-0.568,0) 2(0.568,0)
C_0603
  rrect 0.9x0.95 smd: 1(-0.775,0) 2(0.775,0)
C_0603_1608Metric
  rrect 0.9x0.95 smd: 1(-0.775,0) 2(0.775,0)
C_0603_1608Metric_Pad1.08x0.95mm_HandSolder
  rrect 1.075x0.95 smd: 1(-0.863,0) 2(0.863,0)
C_1210
  rrect 1.325x2.7 smd: 1(-1.537,-0.02) 2(1.588,-0.02)
C_1210_3225Metric
  rrect 1.15x2.7 smd: 1(-1.475,0) 2(1.475,0)
C_2220_5650Metric_Pad1.97x5.40mm_HandSolder
  rrect 1.975x5.4 smd: 1(-2.638,0) 2(2.638,0)
DMCV 1,5_12-G1F-3,5-LR P20THR
  rect 2.3x2.3 hole 1.4: 1(-19.25,2.55)
  round 2.3 hole 1.4: 2(-19.25,-2.95) 3(-15.75,2.55) 4(-15.75,-2.95) 5(-12.25,2.55) 6(-12.25,-2.95) 7(-8.75,2.55) 8(-8.75,-2.95) 9(-5.25,2.55) 10(-5.25,-2.95) 11(-1.75,2.55) 12(-1.75,-2.95) 13(1.75,2.55) 14(1.75,-2.95) 15(5.25,2.55) 16(5.25,-2.95) 17(8.75,2.55) 18(8.75,-2.95) 19(12.25,2.55) 20(12.25,-2.95) 21(15.75,2.55) 22(15.75,-2.95) 23(19.25,2.55) 24(19.25,-2.95)
DO_SOD_123
  rrect 0.9x1.2 smd: 1(-1.6,0.05) 2(1.7,0.05)
Fiducial_1mm_Mask3mm
  round 1 smd: (0,0)
IDC-Header_2x03_P2.54mm_Vertical
  rrect 1.7x1.7 hole 1: 1(0,0)
  round 1.7 hole 1: 2(2.54,0) 3(0,-2.54) 4(2.54,-2.54) 5(0,-5.08) 6(2.54,-5.08)
IDC-Header_2x05_P2.54mm_Vertical
  rrect 1.7x1.7 hole 1: 1(0,0)
  round 1.7 hole 1: 2(2.54,0) 3(0,-2.54) 4(2.54,-2.54) 5(0,-5.08) 6(2.54,-5.08) 7(0,-7.62) 8(2.54,-7.62) 9(0,-10.16) 10(2.54,-10.16)
IDC-Header_2x12_P2.54mm_Vertical_SMD
  rrect 5x1.02 smd: 1(-3.8,13.97) 2(3.8,13.97) 3(-3.8,11.43) 4(3.8,11.43) 5(-3.8,8.89) 6(3.8,8.89) 7(-3.8,6.35) 8(3.8,6.35) 9(-3.8,3.81) 10(3.8,3.81) 11(-3.8,1.27) 12(3.8,1.27) 13(-3.8,-1.27) 14(3.8,-1.27) 15(-3.8,-3.81) 16(3.8,-3.81) 17(-3.8,-6.35) 18(3.8,-6.35) 19(-3.8,-8.89) 20(3.8,-8.89) 21(-3.8,-11.43) 22(3.8,-11.43) 23(-3.8,-13.97) 24(3.8,-13.97)
IDC-Header_2x13_P2.54mm_Vertical
  rrect 1.7x1.7 hole 1: 1(0,0)
  round 1.7 hole 1: 2(2.54,0) 3(0,-2.54) 4(2.54,-2.54) 5(0,-5.08) 6(2.54,-5.08) 7(0,-7.62) 8(2.54,-7.62) 9(0,-10.16) 10(2.54,-10.16) 11(0,-12.7) 12(2.54,-12.7) 13(0,-15.24) 14(2.54,-15.24) 15(0,-17.78) 16(2.54,-17.78) 17(0,-20.32) 18(2.54,-20.32) 19(0,-22.86) 20(2.54,-22.86) 21(0,-25.4) 22(2.54,-25.4) 23(0,-27.94) 24(2.54,-27.94) 25(0,-30.48) 26(2.54,-30.48)
Infineon_PG-HSOF-8-1
  rect 2.6x0.7 smd: (-5.25,4.2) (-5.25,3) (-5.25,1.8) (-5.25,0.6) (-5.25,-0.6) (-5.25,-1.8) (-5.25,-3) (-5.25,-4.2)
  round 1 smd: (-0.07,4.2) (-0.07,3) (-0.07,1.8) (-0.07,0.6) (-0.07,-0.6) (-0.07,-1.8) (-0.07,-3) (-0.07,-4.2) (1.13,4.2) (1.13,3) (1.13,1.8) (1.13,0.6) (1.13,-0.6) (1.13,-1.8) (1.13,-3) (1.13,-4.2) (2.33,3) (2.33,1.8) (2.33,0.6) (2.33,-0.6) (2.33,-1.8) (2.33,-3) (3.53,3) (3.53,1.8) (3.53,0.6) (3.53,-0.6) (3.53,-1.8) (3.53,-3) (4.73,3) (4.73,1.8) (4.73,0.6) (4.73,-0.6) (4.73,-1.8) (4.73,-3) (5.93,4.2) (5.93,3) (5.93,1.8) (5.93,0.6) (5.93,-0.6) (5.93,-1.8) (5.93,-3) (5.93,-4.2)
  rect 2.8x0.8 smd: 1(-5.25,4.2)
  custom 2.8x8 smd: 2(-4.25,-0.6)
  custom 8x10.1 smd: 3(3.8,0)
JST_XH_B5B-XH-A_1x05_P2.50mm_Vertical
  rrect 1.7x1.95 hole 0.95: 1(0,0)
  oval 1.7x1.95 hole 0.95: 2(2.5,0) 3(5,0) 4(7.5,0) 5(10,0)
L_5u6_78439346056
  rect 5.5x1.45 smd: 1(-0.075,1.975) 2(-0.075,-2.025)
